# Altium PCB 工控主板.PcbDoc (part 1 of 2) (continued)
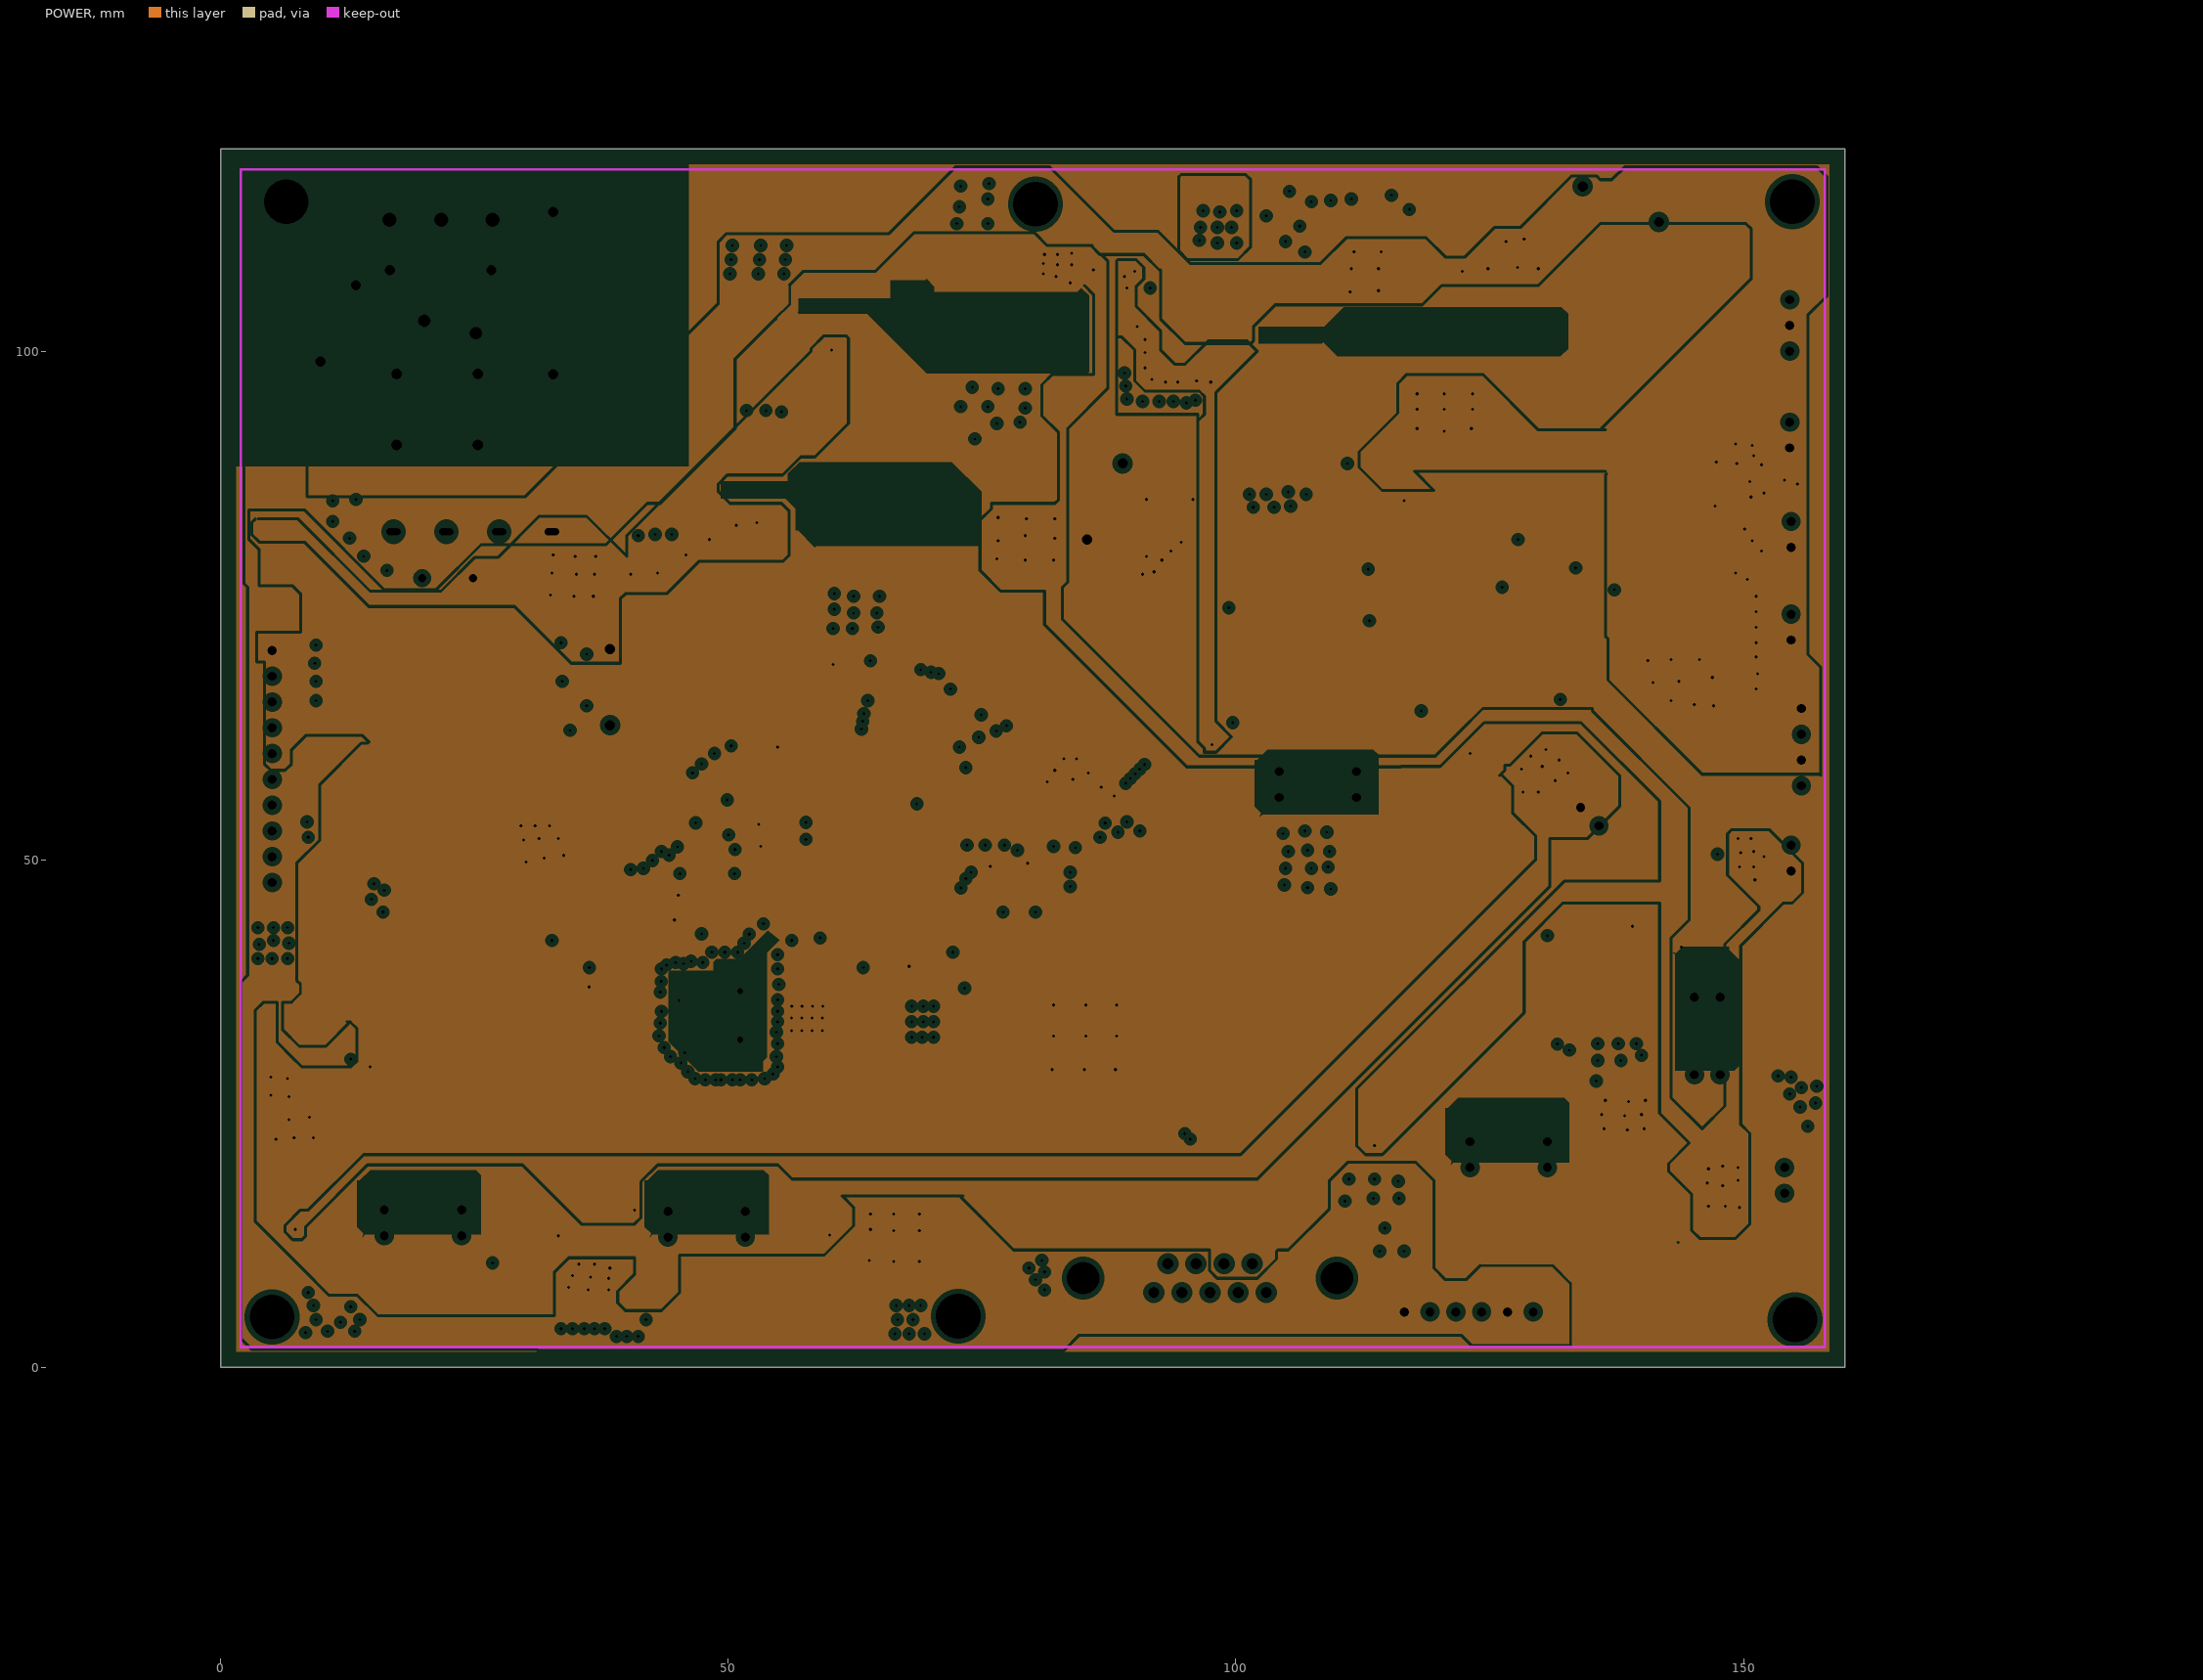
[diagram p3: POWER, clearances drawn from the general rule]
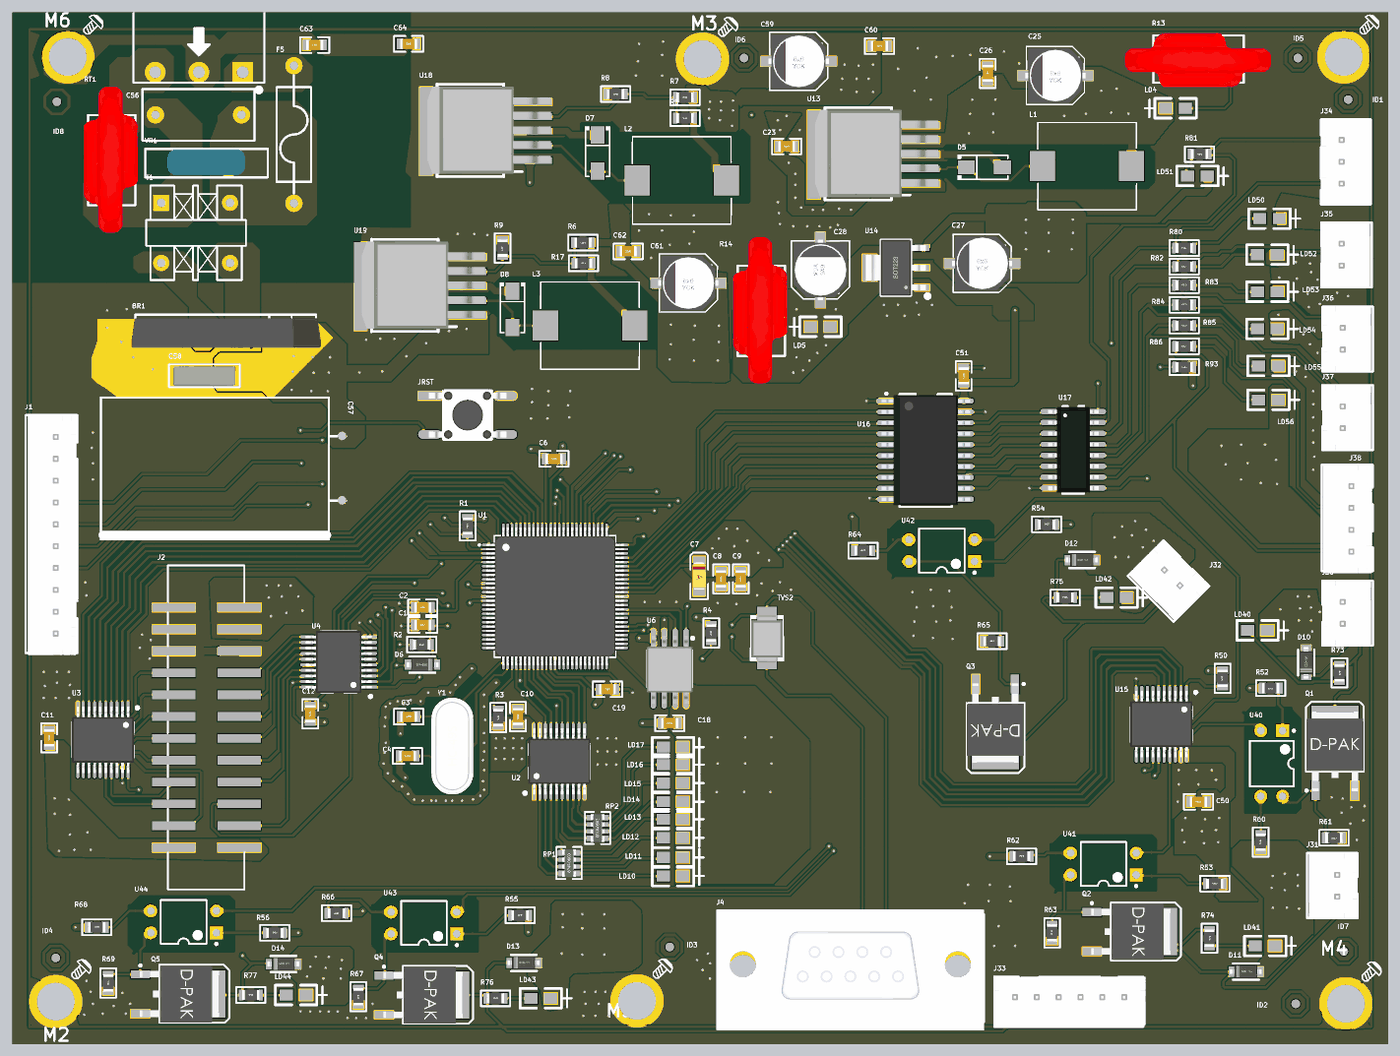
[diagram p5: 3D render of the assembled board from above, using the file's embedded part models]

## Layer stack, top to bottom
Top Solder: solder mask 0.0102, Solder Resist, Dk 3.5
Top Layer: signal copper 0.0356
Dielectric 2: prepreg 0.0711, PP-006, Dk 4.1
GND: plane copper 0.035, net GND
Dielectric 1: dielectric 0.32, FR-4, Dk 4.8
POWER: plane copper 0.035, net (Multiple Nets)
Dielectric 3: prepreg 0.0711, PP-006, Dk 4.1
Bottom Layer: signal copper 0.0356
Bottom Solder: solder mask 0.0102, Solder Resist, Dk 3.5

## Board outline
0,0 0,120 160,120 160,0

## Design rules (kind name [scope] priority, off if disabled: settings)
Clearance [All] p1: gap=0.152 ignorepadtopadclearanceinfootprint=FALSE
PlaneClearance [All] p1: clearance=0.508
PlaneConnect [All] p1: planeconnectstyle=Direct reliefexpansion=0.508 reliefentries=4 reliefconductorwidth=0.254 reliefairgap=0.254
PolygonConnect [All] p1: connectstyle=Direct reliefconductorwidth=0.254 reliefentries=4 polygonreliefangle="90 Angle" airgapwidth=0.254
RoomDefinition 05-lnterface2 [InComponentClass('05-lnterface2')] p1: confinementstyle=ConfineIn formatcopy=TRUE lockcomponents=FALSE outline -13.716,-58.039 37.084,-58.039 37.084,-32.639 -13.716,-32.639
RoomDefinition 04-lnterface1 [InComponentClass('04-lnterface1')] p2: confinementstyle=ConfineIn formatcopy=TRUE lockcomponents=FALSE outline -13.716,-58.039 37.084,-58.039 37.084,-32.639 -13.716,-32.639
RoomDefinition "03-CPU Core" [InComponentClass('03-CPU Core')] p3: confinementstyle=ConfineIn formatcopy=TRUE lockcomponents=FALSE outline -13.716,-58.039 37.084,-58.039 37.084,-32.639 -13.716,-32.639
RoomDefinition "02-POWER DC-DC" [InComponentClass('02-POWER DC-DC')] p4: confinementstyle=ConfineIn formatcopy=TRUE lockcomponents=FALSE outline -13.716,-58.039 37.084,-58.039 37.084,-32.639 -13.716,-32.639
RoomDefinition "01-POWER AC-DC" [InComponentClass('01-POWER AC-DC')] p5: confinementstyle=ConfineIn formatcopy=TRUE lockcomponents=FALSE outline -13.716,-58.039 37.084,-58.039 37.084,-32.639 -13.716,-32.639
RoutingVias [All] p1: holewidth=0.305 width=0.559 viastyle="Through Hole" minholewidth=0.305 minwidth=0.559 maxholewidth=0.305 maxwidth=0.559
SMDNeckDown [All] p1: percent=50.000
SolderMaskExpansion [All] p1: expansion=0.102 istentingtop=FALSE
Width GND [InNetClass('GND')] p1: maxlimit=1.016 minlimit=1.016 preferedwidth=1.016
Width POWER [InNetClass('POWER')] p2: maxlimit=0.762 minlimit=0.762 preferedwidth=0.762
Width [All] p3: maxlimit=0.254 minlimit=0.254 preferedwidth=0.254
28 further rules are at their usual default settings.

## Classes and differential pairs
component class 05-lnterface2: C50 D10 D11 D12 D13 D14 J30 J31 J32 J33 LD40 LD41 LD42 LD43 LD44 Q1 Q2 Q3 Q4 Q5 R50 R52 R53 R54 R55 R56 R60 R61 R62 R63 R64 R65 R66 R67 R68 R69 R73 R74 R75 R76 R77 U15 U40 U41 U42 U43 U44
component class 04-lnterface1: C51 J34 J35 J36 J37 J38 LD50 LD51 LD52 LD53 LD54 LD55 LD56 R80 R81 R82 R83 R84 R85 R86 R93 U16 U17
component class "03-CPU Core": C1 C2 C3 C4 C6 C7 C8 C9 C10 C11 C12 C18 C19 D6 J1 J2 J4 JRST LD10 LD11 LD12 LD13 LD14 LD15 LD16 LD17 R1 R2 R3 R4 RP1 RP2 TVS2 U1 U2 U3 U4 U6 Y1
component class "02-POWER DC-DC": C23 C25 C26 C27 C28 C59 C60 C61 C62 D5 D7 D8 L1 L2 L3 LD4 LD5 R5 R6 R7 R8 R9 R13 R14 R17 U13 U14 U18 U19
component class "01-POWER AC-DC": BR1 C56 C57 C58 C63 C64 F5 ID1 ID2 ID3 ID4 ID5 ID6 ID7 ID8 J5 M1 M2 M3 M4 M6 RT1 T1 VR1

## Components (designator, comment, footprint, x,y, rotation, side; value= is the part's Value field where it differs from the comment)
BR1 "GBL407G" GBL407G 25.911,81.153 r0 top
C1 "Cap" C0805 47.752,48.768 r180 top value=0.1uF
C2 "Cap" C0805 47.752,50.8 r180 top value=2.2uF
C3 "Cap" C0805 46.101,38.1 r0 top value=30pF
C4 "Cap" C0805 45.974,33.528 r0 top value=30pF
C6 "Cap" C0805 62.992,68.072 r180 top value=0.1uF
C7 "Cap Pol1" C3216 79.883,54.434 r270 top value=10uF/16V
C8 "Cap" C0805 82.423,54.102 r90 top value=0.1uF
C9 "Cap" C0805 84.709,54.102 r90 top value=1000pF
C10 "Cap" C0805 58.801,38.1 r270 top value=0.1uF
C11 "Cap" C0805 4.318,35.626 r270 top value=0.1uF
C12 "Cap" C0805 34.671,38.42 r270 top value=0.1uF
C18 "Cap" C0805 76.454,37.338 r0 top value=0.1uF
C19 "Cap" C0805 69.215,41.275 r180 top value=0.1uF
C23 "Cap" C0805 90.043,104.394 r180 top value=0.1uF
C25 "Cap Pol2" SMD-6.3-7.7 121.285,112.649 r180 top value=100uF/35V
C26 "Cap" C0805 113.411,112.903 r90 top value=0.1uF
C27 "Cap Pol2" SMD-6.3-7.7 112.779,90.805 r180 top value=100uF
C28 "Cap Pol2" SMD-6.3-7.7 93.98,90.043 r90 top value=100uF
C50 "Cap" C0805 137.922,28.194 r0 top value=0.1uF
C51 "Cap" C0805 110.617,77.724 r270 top value=0.1uF
C56 "Cap" CBB62-275VAC-104K 26.67,108.077 r180 top value=0.1uF/275V
C57 "33uF/100V" CE16250SH1 38.354,70.739 r0 top
C58 "Cap" ?#1 22.352,77.724 r0 top value=0.33uF/100V
C59 "Cap Pol2" SMD-6.3-7.7 91.44,114.3 r180 top value=100uF/35V
C60 "Cap" C0805 100.838,116.078 r180 top value=0.1uF
C61 "Cap Pol2" SMD-6.3-7.7 78.613,88.519 r180 top value=100uF/35V
C62 "Cap" C0805 71.628,92.202 r180 top value=0.1uF
C63 "Cap" C0805 35.179,116.205 r0 top value=220pF
C64 "Cap" C0805 46.101,116.332 r0 top value=220pf
D5 "1N5822" SMA-L4 113.03,101.981 r0 top
D6 "1N4148" FR107W 47.625,44.196 r180 top
D7 "IN5819" SMA-L4 68.072,103.632 r270 top
D8 "IN5819" SMA-L4 58.166,85.471 r270 top
D10 "FR107" FR107W 150.495,44.45 r90 top
D11 "FR107" FR107W 143.51,8.382 r0 top
D12 "FR107" FR107W 124.46,56.261 r0 top
D13 "FR107" FR107W 59.563,9.398 r0 top
D14 "FR107" FR107W 31.623,9.271 r0 top
F5 "Fuse 2" 4T2A250V 32.766,105.791 r270 top
ID1 "LOC" MARK_1 155.321,109.855 r0 top
ID2 "LOC" MARK_1 149.225,4.699 r0 top
ID3 "LOC" MARK_1 76.454,11.303 r0 top
ID4 "LOC" MARK_1 5.08,10.033 r0 top
ID5 "LOC" MARK_1 149.479,114.681 r0 top
ID6 "LOC" MARK_1 85.09,114.681 r0 top
ID7 "LOC" MARK_1 154.813,10.795 r0 top
ID8 "LOC" MARK_1 5.207,109.601 r0 top
J1 "XH-10P_2P54" XH-10P_2P54 5.08,59.182 r270 top
J2 "HEADER_12x2" HEADER_12X2 22.606,36.83 r90 top
J4 "DB9" DB9 97.457,8.786 r180 top
J5 "AC220/INPUT" VH-3A 21.717,113.03 r180 top
J30 "A2512WV-2P" A2512WV-2P 154.686,50.165 r90 top
J31 "A2512WV-2P" A2512WV-2P 154.051,18.415 r270 top
J32 "A2512WV-2P" A2512WV-2P 134.865,54.238 r315 top
J33 "A2512WV-6P" A2512WV-6P 122.936,5.461 r0 top
J34 "A2512WV-3P" A2512WV-3P 154.94,101.473 r90 top
J35 "A2512WV-2P" A2512WV-2P 154.559,91.821 r90 top
J36 "A2512WV-2P" A2512WV-2P 154.686,82.042 r90 top
J37 "A2512WV-2P" A2512WV-2P 154.686,72.898 r90 top
J38 "A2512WV-4P" A2512WV-4P 155.702,61.087 r270 top
JRST "DTSM-61" DISM-61 52.959,73.152 r0 top
L1 "Inductor" L100UH 124.968,102.108 r0 top value=100uH
L2 "Inductor" L100UH 77.851,100.457 r0 top value=100uH
L3 "Inductor" L100UH 67.183,83.566 r0 top value=100uH
LD4 "黄绿色" LED0805 135.255,108.839 r0 top
LD5 "黄绿色" LED0805 93.98,83.439 r0 top
LD10 "黄色" LED0805 76.835,19.558 r180 top
LD11 "黄色" LED0805 76.835,21.717 r180 top
LD12 "黄色" LED0805 76.835,24.003 r180 top
LD13 "黄色" LED0805 76.835,26.162 r180 top
LD14 "黄色" LED0805 76.835,28.194 r180 top
LD15 "黄色" LED0805 76.835,30.353 r180 top
LD16 "黄色" LED0805 76.835,32.512 r180 top
LD17 "黄色" LED0805 76.835,34.544 r180 top
LD40 "黄色" LED0805 144.78,48.133 r180 top
LD41 "黄色" LED0805 145.669,11.43 r180 top
LD42 "黄色" LED0805 128.397,51.943 r180 top
LD43 "黄色" LED0805 61.468,5.334 r180 top
LD44 "黄色" LED0805 33.02,5.715 r180 top
LD50 "黄色" LED0805 146.177,96.012 r180 top
LD51 "黄色" LED0805 137.795,100.965 r180 top
LD52 "黄色" LED0805 145.923,91.821 r180 top
LD53 "黄色" LED0805 145.923,87.503 r180 top
LD54 "黄色" LED0805 145.923,83.185 r180 top
LD55 "黄色" LED0805 146.05,78.867 r180 top
LD56 "黄色" LED0805 146.05,74.93 r180 top
M1 "MARK_4" SCREEW 154.813,114.808 r0 top value=SCREEW
M2 "MARK_4" SCREEW 5.08,4.953 r0 top value=SCREEW
M3 "MARK_4" SCREEW 80.264,114.554 r0 top value=SCREEW
M4 "MARK_4" SCREEW 155.067,4.699 r0 top value=SCREEW
M5 "MARK_4" SCREEW 72.654,5.033 r0 top value=SCREEW
M6 "MARK_4" SCREEW 6.477,114.808 r0 top value=SCREEW
Q1 "IRFR024N" TO-252AA 153.797,32.766 r90 top
Q2 "IRFR024N" TO-252AA 128.805,13.081 r0 top
Q3 "IRFR024N" TO-252AA 114.3,38.608 r270 top
Q4 "IRFR024N" TO-252AA 46.509,5.715 r0 top
Q5 "IRFR024N" TO-252AA 18.188,5.842 r0 top
R1 "Res3" R0805 52.959,60.259 r90 top value=4.7K
R2 "Res3" R0805 47.625,46.482 r180 top value=10K
R3 "Res3" R0805 56.515,37.973 r270 top value=10K
R4 "Res3" R0805 81.28,47.818 r90 top value=10K
R5 "Res2" R0805 78.232,107.696 r180 top value=NC
R6 "Res2" R0805 66.355,93.218 r180 top value=42K
R7 "Res2" R0805 78.232,110.109 r0 top value=24K
R8 "Res2" R0805 70.17,110.49 r180 top value=1.3k
R9 "Res2" R0805 57.023,92.583 r90 top value=2.4k
R13 "" NTC-10D9 137.922,114.554 r0 top value=820Ω
R14 "" NTC-10D9 87.094,85.283 r270 top value=330Ω
R17 "Res2" R0805 66.421,90.805 r0 top value=42K
R50 "Res3" R0805 140.716,42.545 r90 top value=10K
R52 "Res3" R0805 146.304,41.402 r180 top value=470
R53 "Res3" R0805 139.827,18.669 r0 top value=470
R54 "Res3" R0805 120.269,60.452 r0 top value=470
R55 "Res3" R0805 59.055,14.986 r0 top value=470
R56 "Res3" R0805 30.541,12.954 r0 top value=470
R60 "Res3" R0805 145.161,23.495 r90 top value=5.1K
R61 "Res3" R0805 153.67,24.003 r180 top value=5.1K
R62 "Res3" R0805 117.348,21.844 r0 top value=5.1K
R63 "Res3" R0805 120.904,12.954 r90 top value=5.1K
R64 "Res3" R0805 98.933,57.404 r0 top value=5.1K
R65 "Res3" R0805 113.919,46.863 r0 top value=5.1K
R66 "Res3" R0805 37.719,15.24 r180 top value=5.1K
R67 "Res3" R0805 40.259,5.527 r90 top value=5.1K
R68 "Res3" R0805 9.845,13.589 r0 top value=5.1K
R69 "Res3" R0805 11.176,7.112 r90 top value=5.1K
R73 "Res3" R0805 154.305,43.18 r270 top value=10K
R74 "Res3" R0805 139.192,12.319 r270 top value=10K
R75 "Res3" R0805 122.428,51.943 r0 top value=5.1K
R76 "Res3" R0805 56.2,5.334 r0 top value=1.5K
R77 "Res3" R0805 27.752,5.715 r0 top value=1.5K
R80 "Res3" R0805 136.271,92.583 r0 top value=1.5K
R81 "Res3" R0805 138.049,103.505 r180 top value=1.5K
R82 "Res3" R0805 136.271,90.424 r0 top value=1.5K
R83 "Res3" R0805 136.271,88.265 r0 top value=1.5K
R84 "Res3" R0805 136.271,85.979 r0 top value=1.5K
R85 "Res3" R0805 136.271,83.566 r0 top value=1.5K
R86 "Res3" R0805 136.271,81.153 r0 top value=1.5K
R93 "0" R0805 136.271,78.74 r180 top
RP1 "820" RP 64.759,21.063 r90 top
RP2 "820" RP 68.072,25.146 r90 top
RT1 "NTC" NTC-10D9 11.585,102.804 r270 top value=1K
T1 "1.2mH" UU1014 21.209,94.234 r270 top
TVS2 "P6SMB36CAT" TVS 87.757,47.244 r270 top
U1 "C8051F020" TQFP-100 63.119,52.07 r270 top locked
U2 "74HC245MIR" SSOP-20 63.627,32.893 r90 top
U3 "74HC245MIR" SSOP-20 10.567,35.4 r270 top
U4 "74HC245MIR" SSOP-20 37.973,44.45 r180 top
U6 "W25X16" SOIC-8 76.454,43.688 r180 top
U13 "LM2576-5.0" TO-263-5 105.283,103.456 r90 top
U14 "LM1117-3.3V" ?#2 102.743,90.297 r90 top
U15 "74HC245MIR" SSOP-20 133.604,37.211 r270 top
U16 "74HC540" SOP-20 106.172,69.088 r0 top
U17 "ULN2003AFW" SO-16P 123.352,69.123 r0 top
U18 "LM2575" TO-263-5 60.198,106.172 r90 top
U19 "LM2575" TO-263-5 52.578,88.138 r90 top
U40 "EL817C-F" DIP-4 146.431,32.639 r270 top
U41 "EL817C-F" DIP-4 126.873,20.955 r180 top
U42 "EL817C-F" DIP-4 108.077,57.404 r180 top
U43 "EL817C-F" DIP-4 47.879,14.097 r180 top
U44 "EL817C-F" DIP-4 19.939,14.224 r180 top
VR1 "05D560K" RUEF400 17.526,102.718 r0 top
Y1 "22.118400MHz" HC-49 51.181,34.671 r90 top

## Footprints (in the part's own frame and the unit in brackets; to place one, negate y for a bottom-side part, rotate by r counter-clockwise, add the part's x,y. Pads: shape width x height; smd on the part's side, far side on the other; paste and mask are expansions set on the pad)
4T2A250V [mm]
  round 1.8 hole 1: 1(-8,0) 2(8,0)
  silkscreen extent -6.87,-2 6.87,2
A2512WV-2P [mm]
  rect 1.7x1.7 hole 0.9: 1(-1.27,0)
  round 1.7 hole 0.9: 2(1.27,0)
  silkscreen extent -3.81,-3.51 3.74,2.37, body extent -3.77,-3.3 3.77,2.4, height 7.05
A2512WV-3P [mm]
  rect 1.7x1.7 hole 0.9: 1(-1.397,0.381)
  round 1.7 hole 0.9: 2(1.143,0.381) 3(3.683,0.381)
  silkscreen extent -3.81,-3 6.07,2.77, body extent -3.9,-2.92 6.18,2.78, height 7.03
A2512WV-4P [mm]
  rect 1.7x1.7 hole 0.9: 1(-3.81,0)
  round 1.7 hole 0.9: 2(-1.27,0) 3(1.27,0) 4(3.81,0)
  silkscreen extent -6.3,-3.45 6.07,2.49, body extent -6.31,-3.3 6.31,2.4, height 7.03
A2512WV-6P [mm]
  rect 1.7x1.7 hole 0.9: 1(-6.35,0)
  round 1.7 hole 0.9: 2(-3.81,0) 3(-1.27,0) 4(1.27,0) 5(3.81,0) 6(6.35,0)
  silkscreen extent -8.74,-3.43 8.56,2.39, body extent -8.85,-3.3 8.85,2.4, height 7.03
C0805 [mil]
  rect 35x50 smd: 1(-37.4,0) 2(37.4,0)
  silkscreen extent -67,-36 67,36, body extent -39,-24 39,24, height 20
C3216 [mm]
  rect 1.2x1.4 smd: 1(-1.7,0) 2(1.7,0)
  silkscreen extent -2.74,-1.02 2.67,1.02, body extent -1.6,-0.8 1.6,0.8, height 1.6
CBB62-275VAC-104K [mm]
  round 1.8 hole 1: 1(0,0) 2(10,0)
  silkscreen extent -1.5,-3 11.5,3
CE16250SH1 [mm]
  round 0 / inner round 2 / far side round 2 hole 1: 1(0,0) 2(0,-7.493)
  silkscreen extent -28.03,-12.03 0.47,4.47
DB9 [mm]
  rect 1.8x1.8 hole 1.09 paste-2539.97 mask+0.051: 1(-5.54,1.42)
  round 1.8 hole 1.09 paste-2539.97 mask+0.051: 2(-2.77,1.42) 3(0,1.42) 4(2.771,1.42) 5(5.54,1.42) 6(-4.155,-1.42) 7(-1.385,-1.42) 8(1.385,-1.42) 9(4.155,-1.42)
  round 5 hole 3.2 paste-2539.97 mask+0.051: 10(-12.5,0) 11(12.5,0)
  silkscreen extent -15.49,-6.35 15.49,6.22, body extent -15.52,-6.87 15.58,7.19, height 12.5
DIP-4 [mm] "DIP; 4 Leads; Row Spacing 7.62 mm; Pitch 2.54 mm"
  rect 1.5x1.5 hole 0.9: 1(-3.81,1.27)
  round 1.5 hole 0.9: 2(-3.81,-1.27) 3(3.81,-1.27) 4(3.81,1.27)
  silkscreen extent -3.93,-2.55 2.65,2.7, body extent -3.15,-2.5 3.15,2.5, height 5.6
DISM-61 [mm]
  rect 2.7x1 smd: 1(-4.4,2.261)
  oval 2.7x1 smd: 2(-4.4,-2.239) 3(4.4,-2.239) 4(4.4,2.261)
  silkscreen extent -2.79,-2.79 2.79,2.79, body extent -4.5,-3 4.5,3, height 4.25
FR107W [mm]
  rect 1x1.2 smd paste+0 mask+0.051: 1(-1.605,0.044) 2(1.495,0.044)
  silkscreen extent -1.58,-0.89 1.44,0.99, body extent -1.95,-0.74 1.75,0.86, height 1.22
GBL407G [mil]
  oval 78.74x55.12 hole 27.56 slot 55.12 at 0 deg: 1(264.55,45) 4(-349.67,45)
  oval 78.74x55.12 hole 27.56 slot 55.12 at 0 deg copper offset -0.04,0: 2(59.88,45)
  oval 78.74x55.12 hole 27.56 slot 55.12 at 0 deg copper offset 0.04,0: 3(-145,45)
  silkscreen extent -456,5 371,145, body extent -473,-8 393,130, height 819
HC-49 [mm]
  round 1.3 hole 0.6: 1(-2.4,0) 2(2.4,0)
  silkscreen extent -5.52,-2.32 5.52,2.33, body extent -5.52,-2.32 5.53,2.33, height 4.13
HEADER_12X2 [mm]
  rect 1x5 smd: 1(-13.97,3.81) 2(-13.97,-3.81) 3(-11.43,3.81) 4(-11.43,-3.81) 5(-8.89,3.81) 6(-8.89,-3.81) 7(-6.35,3.81) 8(-6.35,-3.81) 9(-3.81,3.81) 10(-3.81,-3.81) 11(-1.27,3.81) 12(-1.27,-3.81) 13(1.27,3.81) 14(1.27,-3.81) 15(3.81,3.81) 16(3.81,-3.81) 17(6.35,3.81) 18(6.35,-3.81) 19(8.89,3.81) 20(8.89,-3.81) 21(11.43,3.81) 22(11.43,-3.81) 23(13.97,3.81) 24(13.97,-3.81)
  silkscreen extent -18.84,-4.41 18.84,4.5, body extent -18.87,-5.69 18.81,5.75, height 10
L100UH [mm]
  rect 2.924x3.5 smd: 1(-5.18,0) 2(5.18,0)
  silkscreen extent -5.74,-5.08 5.75,5.08
LED0805 [mil]
  rect 60x50 smd: 1(-45,0) 2(45,0)
  silkscreen extent -140,-45 95,45
MARK_1 [mm]
  round 1.001 smd: 1(0,0)
  Top Layer lines w0.305: -1.4,-0.599 -1.4,0.599 -0.599,1.4 0.599,1.4 1.4,0.599 1.4,-0.599 0.599,-1.4 -0.599,-1.4 -1.4,-0.599
NTC-10D9 [mil]
  round 60 hole 39.37: 1(-147.6,68.9) 2(147.6,-68.9)
  silkscreen extent -207,-108 207,108, body extent -337,-129 332,119, height 807
R0805 [mm]
  rect 0.889x1.27 smd: 1(-0.95,0) 2(0.95,0)
  silkscreen extent -1.7,-0.91 1.7,0.91, body extent -1,-0.62 1,0.63, height 0.5
RP [mm]
  rect 0.65x0.8 smd: 1(-1.2,-0.9) 4(1.2,-0.9) 5(1.2,0.9) 8(-1.2,0.9)
  rect 0.5x0.8 smd: 2(-0.4,-0.9) 3(0.4,-0.9) 6(0.4,0.9) 7(-0.4,0.9)
  silkscreen extent -1.87,-1.45 1.87,1.47, body extent -1.6,-0.8 1.6,0.8, height 0.6
RUEF400 [mm]
  round 2 hole 1.2 slot 1.205 at 0 deg paste-2539.97 mask+0.051: 1(2.54,0.356) 2(7.62,-0.864)
  silkscreen extent -2.03,-1.91 12.19,1.4, body extent 0.54,-1.64 9.54,1.36, height 10
SCREEW [mm]
  round 6 hole 4.4: 1(0,0)
  silkscreen extent 1.89,2.67 4.09,4.87
SMA-L4 [mm]
  rect 2x1.593 smd: 1(-2.1,0) 2(2.1,0)
  silkscreen extent -3.11,-1.48 2.73,1.48
SMD-6.3-7.7 [mm]
  rect 3.5x1.2 smd paste+0 mask+0.051: 1(-2.67,0) 2(2.67,0)
  silkscreen extent -3.38,-3.38 3.38,3.38, body extent -3.5,-3.15 3.5,3.15, height 6
SO-16P [mil]
  oval 80x24 smd: 1(-110,175) 2(-110,125) 3(-110,75) 4(-110,25) 5(-110,-25) 6(-110,-75) 7(-110,-125) 8(-110,-175) 9(110,-175) 10(110,-125) 11(110,-75) 12(110,-25) 13(110,25) 14(110,75) 15(110,125) 16(110,175)
  silkscreen extent -50,-200 50,200, body extent -115,-196 117,196, height 57
SOIC-8 [mm]
  oval 0.63x2.25 smd: 1(-1.905,-3.53) 2(-0.635,-3.53) 3(0.635,-3.53) 4(1.905,-3.53) 5(1.905,3.53) 6(0.635,3.53) 7(-0.635,3.53) 8(-1.905,3.53)
  silkscreen extent -2.82,-3.68 2.64,2.18, body extent -2.65,-3.83 2.65,4.08, height 2
SOP-20 [mm]
  rect 2.286x0.6 smd: 1(-4.495,5.715)
  oval 2.286x0.6 smd: 2(-4.495,4.445) 3(-4.495,3.175) 4(-4.495,1.905) 5(-4.495,0.635) 6(-4.495,-0.635) 7(-4.495,-1.905) 8(-4.495,-3.175) 9(-4.495,-4.445) 10(-4.505,-5.715) 11(4.505,-5.715) 12(4.505,-4.445) 13(4.505,-3.175) 14(4.505,-1.905) 15(4.505,-0.635) 16(4.505,0.635) 17(4.505,1.905) 18(4.505,3.175) 19(4.505,4.445) 20(4.505,5.715)
  silkscreen extent -4.66,-6.6 3.06,6.69, body extent -5.11,-6.4 5.19,6.4, height 2.7
SSOP-20 [mm]
  rect 1.65x0.35 smd: 1(-3.65,2.925)
  oval 1.65x0.35 smd: 2(-3.65,2.275) 3(-3.65,1.625) 4(-3.65,0.975) 5(-3.65,0.325) 6(-3.65,-0.325) 7(-3.65,-0.975) 8(-3.65,-1.625) 9(-3.65,-2.275) 10(-3.65,-2.925) 11(3.65,-2.925) 12(3.65,-2.275) 13(3.65,-1.625) 14(3.65,-0.975) 15(3.65,-0.325) 16(3.65,0.325) 17(3.65,0.975) 18(3.65,1.625) 19(3.65,2.275) 20(3.65,2.925)
  silkscreen extent -3.83,-3.56 2.07,4.13, body extent -3.85,-3.6 3.85,3.6, height 1.65
TO-252AA [mm]
  rect 2.2x0.95 smd: 1(-3.275,2.28) 3(-3.275,-2.28)
  rect 6.7x5.5 smd: 2(3.275,0)
  silkscreen extent -3.4,-3.35 7.07,3.43, body extent -3.35,-3.3 5.9,3.3, height 2.31
TO-263-5 [mm]
  rect 0.75x5.1 smd: 1(-3.4,0) 2(-1.7,0) 3(0,0) 4(1.7,0) 5(3.4,0)
  rect 10.3x1.5 smd: 6(0,12.065)
  silkscreen extent -5.27,0.89 5.46,10.79, body extent -4.95,-2.41 5.21,11.94, height 4.57
TQFP-100 [mm]
  oval 0.28x1.6 smd: 1(-6,-7.7) 2(-5.5,-7.7) 3(-5,-7.7) 4(-4.5,-7.7) 5(-4,-7.7) 6(-3.5,-7.7) 7(-3,-7.7) 8(-2.5,-7.7) 9(-2,-7.7) 10(-1.5,-7.7) 11(-1,-7.7) 12(-0.5,-7.7) 13(0,-7.7) 14(0.5,-7.7) 15(1,-7.7) 16(1.5,-7.7) 17(2,-7.7) 18(2.5,-7.7) 19(3,-7.7) 20(3.5,-7.7) 21(4,-7.7) 22(4.5,-7.7) 23(5,-7.7) 24(5.5,-7.7) 25(6,-7.7) 51(6,7.7) 52(5.5,7.7) 53(5,7.7) 54(4.5,7.7) 55(4,7.7) 56(3.5,7.7) 57(3,7.7) 58(2.5,7.7) 59(2,7.7) 60(1.5,7.7) 61(1,7.7) 62(0.5,7.7) 63(0,7.7) 64(-0.5,7.7) 65(-1,7.7) 66(-1.5,7.7) 67(-2,7.7) 68(-2.5,7.7) 69(-3,7.7) 70(-3.5,7.7) 71(-4,7.7) 72(-4.5,7.7) 73(-5,7.7) 74(-5.5,7.7) 75(-6,7.7)
  oval 1.6x0.28 smd: 26(7.7,-6) 27(7.7,-5.5) 28(7.7,-5) 29(7.7,-4.5) 30(7.7,-4) 31(7.7,-3.5) 32(7.7,-3) 33(7.7,-2.5) 34(7.7,-2) 35(7.7,-1.5) 36(7.7,-1) 37(7.7,-0.5) 38(7.7,0) 39(7.7,0.5) 40(7.7,1) 41(7.7,1.5) 42(7.7,2) 43(7.7,2.5) 44(7.7,3) 45(7.7,3.5) 46(7.7,4) 47(7.7,4.5) 48(7.7,5) 49(7.7,5.5) 50(7.7,6) 76(-7.7,6) 77(-7.7,5.5) 78(-7.7,5) 79(-7.7,4.5) 80(-7.7,4) 81(-7.7,3.5) 82(-7.7,3) 83(-7.7,2.5) 84(-7.7,2) 85(-7.7,1.5) 86(-7.7,1) 87(-7.7,0.5) 88(-7.7,0) 89(-7.7,-0.5) 90(-7.7,-1) 91(-7.7,-1.5) 92(-7.7,-2) 93(-7.7,-2.5) 94(-7.7,-3) 95(-7.7,-3.5) 96(-7.7,-4) 97(-7.7,-4.5) 98(-7.7,-5) 99(-7.7,-5.5) 100(-7.7,-6)